# Allegro board 8880F5-0823_RXTX.brd (continued)
## Routing (per net, layer and track width the routed paths; a pad name or vN(x,y) marks a point on that pad's centre or on a via; arc(x,y) is an arc through that point) (continued)
D13113: length 833.7
  TOP w0.086: SITE1.79 263.98,249.63 264.06,249.71 269.2,249.71 270.02,250.53 275.8,250.53 v1(276.24,250.09)
  L07_SIGNAL w0.071: v2(212.03,230.74) 212.5,230.27 213.48,230.27 214.36,229.4 214.36,224.07 212.02,221.74 130.68,221.74 129.29,220.34 83.36,220.34 77.08,214.06 77.08,140.32 111.99,105.4 125.3,105.4 130.47,100.23 130.47,54.57 127.24,51.34 120.1,51.34 119.01,52.43 119.01,53.71 D131.13
  L30_SIGNAL w0.071: v2(212.03,230.74) 211.56,230.27 210.76,230.27 210.09,230.94 210.09,239.48 209.33,240.24 167.91,240.24 162.05,234.38 106.72,234.38 105.33,232.99 57.97,232.99 56.9,234.05 56.9,254.83 56,255.73 52.33,255.73 51.62,255.03 51.62,248.07 50.61,247.06 46.83,247.06 45.44,248.44 45.44,260.98 47.38,262.92 210.37,262.92 220.57,252.72 223.91,252.72 225.87,250.76 236.92,250.76 242.41,245.28 259.62,245.28 264.91,250.56 275.77,250.56 v1(276.24,250.09)
D13115: length 833.7
  TOP w0.086: SITE1.80 263.98,250.03 264.06,249.95 269.1,249.95 269.92,250.77 275.78,250.77 v1(276.24,251.23)
  L07_SIGNAL w0.071: v2(212.03,229.6) 212.5,230.07 213.4,230.07 214.16,229.31 214.16,224.16 211.94,221.94 130.6,221.94 129.21,220.54 83.28,220.54 76.88,214.14 76.88,140.24 111.91,105.2 125.21,105.2 130.27,100.15 130.27,54.65 127.16,51.54 120.19,51.54 119.21,52.51 119.21,53.31 120.24,54.34 120.38,54.34 D131.15
  L30_SIGNAL w0.071: v1(276.24,251.23) 275.77,250.76 264.83,250.76 259.54,245.47 242.49,245.47 237,250.96 225.95,250.96 223.99,252.92 220.66,252.92 210.45,263.12 47.3,263.12 45.24,261.06 45.24,248.36 46.74,246.86 50.69,246.86 51.82,247.99 51.82,254.95 52.41,255.54 55.91,255.54 56.7,254.75 56.7,233.97 57.89,232.79 105.41,232.79 106.8,234.18 162.14,234.18 168,240.04 209.25,240.04 209.89,239.39 209.89,230.86 210.67,230.07 211.55,230.07 v2(212.03,229.6)
D13201: length 833.7
  TOP w0.086: v1(227.6,257.38) 228.04,256.95 231.86,256.95 236.46,252.35 237.6,252.35 237.68,252.43 SITE1.135
  L07_SIGNAL w0.071: v2(178.5,258.17) 178.97,257.7 179.25,257.7 179.97,258.42 179.97,260.04 179.16,260.84 175,260.84 168.26,254.1 140.98,254.1 135.02,248.14 84.83,248.14 55.75,219.05 55.75,135.85 78.94,112.65 78.94,34.36 82.81,30.5 87.69,30.5 89.74,32.54 89.74,33.66 89.07,34.33 87.59,34.33 D132.01
  L32_SIGNAL w0.071: v2(178.5,258.17) 178.97,257.7 179.32,257.7 179.59,257.97 179.59,265.41 176.16,268.84 176.16,274.85 170.37,280.64 160.39,280.64 157.09,283.94 67.9,283.94 60.74,291.11 60.74,351.38 69.22,359.86 195.72,359.86 209.48,346.1 209.48,284.58 214.25,279.81 214.25,262.45 219.79,256.91 227.13,256.91 v1(227.6,257.38)
D13202: length 833.7
  TOP w0.086: SITE1.142 237.68,249.63 237.6,249.55 233.04,249.55 231.83,250.76 224.76,250.76 v1(224.31,251.21)
  L07_SIGNAL w0.071: D132.02 91.03,40.23 91.03,41.96 90.59,42.4 85.33,42.4 80.26,47.47 80.26,115.46 57.53,138.19 57.53,216.29 78.63,237.39 128.78,237.39 130.48,235.7 172.01,235.7 180.46,244.15 180.46,257.32 180.84,257.7 181.2,257.7 v2(181.67,258.17)
  L32_SIGNAL w0.071: v1(224.31,251.21) 223.83,250.74 223.37,250.74 222.19,251.92 210.89,251.92 207.99,254.83 207.99,268.92 205.43,271.49 205.43,342.84 193.77,354.5 107.12,354.5 83.02,330.39 83.02,298.44 85.84,295.61 150.29,295.61 156.76,302.07 199.53,302.07 201.7,299.9 201.7,254 197.16,249.47 191.59,249.47 183.36,257.7 182.15,257.7 v2(181.67,258.17)
D13203: length 833.7
  TOP w0.086: v1(227.6,256.24) 228.07,256.71 231.76,256.71 236.36,252.11 237.6,252.11 237.68,252.03 SITE1.136
  L07_SIGNAL w0.071: D132.03 89.94,34.06 89.94,32.46 87.78,30.3 82.72,30.3 78.74,34.28 78.74,112.57 55.55,135.77 55.55,219.14 84.75,248.34 134.94,248.34 140.9,254.3 168.18,254.3 174.92,261.04 179.25,261.04 180.16,260.12 180.16,258.34 179.33,257.5 178.97,257.5 v2(178.5,257.03)
  L32_SIGNAL w0.071: v1(227.6,256.24) 227.13,256.71 219.71,256.71 214.05,262.37 214.05,279.73 209.29,284.49 209.29,346.02 195.64,359.66 69.3,359.66 60.94,351.3 60.94,291.19 67.99,284.14 157.18,284.14 160.48,280.84 170.45,280.84 176.36,274.93 176.36,268.93 179.79,265.49 179.79,257.89 179.4,257.5 178.97,257.5 v2(178.5,257.03)
D13204: length 833.7
  TOP w0.086: v1(224.31,250.07) 224.76,250.52 231.73,250.52 232.94,249.31 237.6,249.31 237.68,249.23 SITE1.143
  L07_SIGNAL w0.071: D132.04 92.47,39.61 92.36,39.61 91.23,40.74 91.23,42.04 90.67,42.6 85.42,42.6 80.46,47.55 80.46,115.54 57.73,138.27 57.73,216.21 78.72,237.2 128.7,237.2 130.4,235.5 172.1,235.5 180.66,244.06 180.66,257.24 180.93,257.5 181.2,257.5 v2(181.67,257.03)
  L32_SIGNAL w0.071: v2(181.67,257.03) 182.15,257.5 183.28,257.5 191.51,249.27 197.25,249.27 201.9,253.92 201.9,299.98 199.61,302.27 156.67,302.27 150.21,295.81 85.92,295.81 83.22,298.52 83.22,330.31 107.21,354.3 193.69,354.3 205.23,342.76 205.23,271.41 207.79,268.84 207.79,254.75 210.81,251.72 222.11,251.72 223.29,250.54 223.83,250.54 v1(224.31,250.07)
D13205: length 833.7
  TOP w0.086: v1(224.31,255.45) 224.75,255.01 232.43,255.01 235.88,251.55 237.6,251.55 237.68,251.63 SITE1.137
  L07_SIGNAL w0.071: D132.05 97.73,34.35 99.13,34.35 99.95,33.53 99.95,31.12 97.59,28.76 81.87,28.76 77.42,33.22 77.42,109.8 52.78,134.44 52.78,220.86 82.26,250.34 131.93,250.34 142.38,260.79 166.05,260.79 166.93,259.9 166.93,258.36 166.27,257.7 165.38,257.7 v2(164.91,258.17)
  L32_SIGNAL w0.071: v2(164.91,258.17) 165.38,257.7 166.4,257.7 168.1,256 178.81,256 180.68,257.87 180.68,282.95 178.65,284.98 79.91,284.98 75.84,289.05 75.84,350.19 84.23,358.57 194.95,358.57 208.36,345.16 208.36,283.57 213,278.93 213,262.04 220.06,254.98 223.83,254.98 v1(224.31,255.45)
D13206: length 833.7
  TOP w0.086: SITE1.140 237.68,250.43 237.6,250.35 233.88,250.35 231.52,252.7 228.04,252.7 v1(227.6,253.14)
  L07_SIGNAL w0.071: v2(195.26,258.17) 194.79,257.7 193.75,257.7 192.26,256.21 190.98,256.21 188.73,253.97 188.73,243.61 178.77,233.64 80.55,233.64 60.86,213.94 60.86,139.49 81.59,118.76 81.59,48.31 86.59,43.31 101,43.31 101.21,43.1 101.21,40.25 D132.06
  L32_SIGNAL w0.071: v2(195.26,258.17) 195.73,257.7 196.49,257.7 196.9,258.11 196.9,277.06 189.97,283.99 189.97,289.22 188.38,290.81 171.26,290.81 170.14,289.69 170.14,287.36 169.43,286.65 159.36,286.65 157.75,288.26 154.24,288.26 152.41,286.44 81.64,286.44 77.9,290.18 77.9,349.68 84.92,356.7 193.71,356.7 207.33,343.08 207.33,273.94 210.6,270.67 210.6,254.63 212.55,252.67 227.13,252.67 v1(227.6,253.14)
D13207: length 833.7
  TOP w0.086: v1(224.31,254.31) 224.76,254.77 232.33,254.77 235.78,251.31 237.6,251.31 237.68,251.23 SITE1.138
  L07_SIGNAL w0.071: v2(164.91,257.03) 165.38,257.5 166.35,257.5 167.13,258.28 167.13,259.99 166.13,260.99 142.29,260.99 131.85,250.54 82.18,250.54 52.59,220.94 52.59,134.36 77.22,109.72 77.22,33.13 81.79,28.56 97.67,28.56 100.15,31.04 100.15,34.11 D132.07
  L32_SIGNAL w0.071: v1(224.31,254.31) 223.83,254.78 219.98,254.78 212.8,261.96 212.8,278.85 208.16,283.49 208.16,345.08 194.86,358.38 84.31,358.38 76.04,350.1 76.04,289.13 80,285.17 178.74,285.17 180.88,283.03 180.88,257.78 178.9,255.8 168.02,255.8 166.32,257.5 165.38,257.5 v2(164.91,257.03)
D13208: length 833.7
  TOP w0.086: SITE1.141 237.68,250.03 237.6,250.11 233.78,250.11 231.43,252.46 228.06,252.46 v1(227.6,252)
  L07_SIGNAL w0.071: D132.08 102.35,39.89 102.22,39.89 101.41,40.7 101.41,43.18 101.08,43.51 86.67,43.51 81.79,48.4 81.79,118.84 61.05,139.57 61.05,213.86 80.64,233.44 178.85,233.44 188.93,243.52 188.93,253.89 191.06,256.02 192.35,256.02 193.83,257.5 194.79,257.5 v1(195.26,257.03)
  L32_SIGNAL w0.071: v1(195.26,257.03) 195.73,257.5 196.58,257.5 197.1,258.02 197.1,277.14 190.17,284.07 190.17,289.3 188.46,291.01 171.18,291.01 169.94,289.77 169.94,287.44 169.35,286.85 159.45,286.85 157.83,288.46 154.16,288.46 152.33,286.64 81.72,286.64 78.1,290.26 78.1,349.6 85,356.5 193.62,356.5 207.13,343 207.13,273.86 210.4,270.59 210.4,254.54 212.47,252.47 227.13,252.47 v1(227.6,252)
D13209: length 833.7
  TOP w0.086: SITE1.114 249.43,257.78 249.35,257.86 249.35,267.06 250.46,268.18 250.46,270.4 v1(250.93,270.87)
  L07_SIGNAL w0.071: v2(269.64,286.07) 270.11,286.54 270.11,287.12 269.61,287.62 265.55,287.62 251.47,273.53 232.47,273.53 222.21,263.28 140.9,263.28 131.34,253.72 79.91,253.72 50.03,223.84 50.03,133.46 75.85,107.65 75.85,32.3 80.99,27.16 106.53,27.16 110.1,30.73 110.1,34.06 109.75,34.41 107.83,34.41 D132.09
  L30_SIGNAL w0.071: v1(250.93,270.87) 250.46,271.34 250.46,276.34 261.29,287.17 261.29,309.43 247.92,322.8 212.18,322.8 209.07,325.91 209.07,348.1 210.22,349.26 272.45,349.26 273.08,348.63 273.08,347.75 272.46,347.12 238.28,347.12 237.51,346.35 237.51,344.57 238.19,343.89 272.37,343.89 273.2,343.05 273.2,292.36 271.35,290.5 271.35,288.8 270.13,287.58 270.13,286.55 v2(269.64,286.07)
D13210: length 833.7
  TOP w0.086: v1(248.93,269.15) 248.55,268.77 248.55,257.86 248.63,257.78 SITE1.116
  L07_SIGNAL w0.071: D132.10 111.16,40.04 111.16,44.19 110.45,44.9 87.41,44.9 82.88,49.44 82.88,123.87 66.74,140.01 66.74,214.95 81.82,230.03 129.12,230.03 130.74,231.65 193.37,231.65 210.52,248.8 227.84,248.8 235,255.96 270.62,255.96 280.57,265.91 280.57,268.75 283.02,271.2 286.45,271.2 286.91,270.74 286.91,269.78 v2(287.38,269.3)
  L30_SIGNAL w0.071: v1(248.93,269.15) 248.46,269.62 248.46,275.58 255.67,282.79 255.67,289.18 260.19,293.7 260.19,305.4 244.61,320.97 201.65,320.97 199.69,322.94 199.69,349.49 201.02,350.83 201.93,350.83 202.72,350.04 202.72,322.86 203.88,321.7 206.34,321.7 207.39,322.75 207.39,349.8 208.1,350.52 274.52,350.52 276.38,348.66 276.38,282.72 281.66,277.43 281.66,266.06 282.77,264.94 286.04,264.94 286.91,265.82 286.91,268.83 v2(287.38,269.3)
D13211: length 833.7
  TOP w0.086: SITE1.115 249.03,257.78 249.11,257.86 249.11,267.16 250.22,268.28 250.22,270.43 v1(249.79,270.87)
  L07_SIGNAL w0.071: D132.11 110.3,34.1 110.3,30.64 106.61,26.96 80.91,26.96 75.65,32.22 75.65,107.56 49.84,133.38 49.84,223.93 79.82,253.91 131.26,253.91 140.82,263.48 222.13,263.48 232.38,273.73 251.38,273.73 265.47,287.82 269.7,287.82 270.31,287.2 270.31,286.54 v2(270.78,286.07)
  L30_SIGNAL w0.071: v2(270.78,286.07) 270.32,286.53 270.32,287.49 271.55,288.72 271.55,290.42 273.4,292.27 273.4,343.14 272.45,344.08 238.27,344.08 237.7,344.65 237.7,346.27 238.36,346.93 272.54,346.93 273.28,347.67 273.28,348.71 272.54,349.45 210.14,349.45 208.87,348.19 208.87,325.83 212.1,322.6 247.84,322.6 261.09,309.35 261.09,287.25 250.26,276.43 250.26,271.34 v1(249.79,270.87)
D13212: length 833.7
  TOP w0.086: v1(247.79,269.15) 248.31,268.63 248.31,257.86 248.23,257.78 SITE1.117
  L07_SIGNAL w0.071: D132.12 112.36,40.04 112.03,40.04 111.35,40.72 111.35,44.27 110.53,45.1 87.5,45.1 83.07,49.52 83.07,123.95 66.93,140.09 66.93,214.87 81.9,229.83 129.2,229.83 130.82,231.45 193.46,231.45 210.6,248.6 227.92,248.6 235.08,255.76 270.7,255.76 280.77,265.82 280.77,268.66 283.11,271 286.37,271 286.71,270.66 286.71,269.78 v2(286.24,269.3)
  L30_SIGNAL w0.071: v1(247.79,269.15) 248.26,269.62 248.26,275.66 255.47,282.87 255.47,289.26 259.99,293.78 259.99,305.31 244.53,320.78 201.57,320.78 199.49,322.86 199.49,349.58 200.94,351.03 202.01,351.03 202.92,350.12 202.92,322.94 203.96,321.9 206.26,321.9 207.19,322.83 207.19,349.89 208.02,350.72 274.6,350.72 276.58,348.74 276.58,282.8 281.86,277.52 281.86,266.14 282.85,265.14 285.95,265.14 286.71,265.9 286.71,268.83 v2(286.24,269.3)
D13213: length 833.7
  TOP w0.086: SITE1.129 243.43,257.78 243.35,257.86 243.35,259.29 238.85,263.79 238.85,270.43 v1(239.3,270.88)
  L07_SIGNAL w0.071: D132.13 118.13,34.27 119.82,34.27 120.47,33.62 120.47,30.71 115.07,25.31 79.76,25.31 73.99,31.07 73.99,106.09 48.05,132.04 48.05,226.78 85.94,264.67 221.19,264.67 244.35,287.83 256.11,287.83 256.9,287.04 256.9,286.54 v2(256.43,286.07)
  L32_SIGNAL w0.071: v2(256.43,286.07) 256.9,286.54 256.9,287.86 253.94,290.83 244.07,290.83 241.43,293.46 241.43,307.55 220.86,328.12 220.86,365.23 224.13,368.51 235.53,368.51 236.49,369.47 236.49,372.69 235.35,373.83 225.36,373.83 224.37,374.82 224.37,377.31 225.5,378.44 249.55,378.44 250.53,379.41 250.53,381 249.41,382.12 224.65,382.12 221.29,378.76 221.29,369.42 216.23,364.36 216.23,323.65 239.9,299.98 239.9,284.64 238.83,283.57 238.83,271.35 v1(239.3,270.88)
D13214: length 833.7
  TOP w0.086: SITE1.81 263.98,250.43 264.06,250.51 267.46,250.51 269.46,252.51 278.8,252.51 v1(279.29,252.02)
  L07_SIGNAL w0.071: v2(198.44,230.74) 197.97,230.27 197.09,230.27 193.22,226.39 106.2,226.39 104.99,225.18 81.1,225.18 73.01,217.1 73.01,138.99 84.16,127.84 84.16,49.97 87.95,46.18 119.58,46.18 122.02,43.75 122.02,40.49 121.47,39.94 121.22,39.94 D132.14
  L30_SIGNAL w0.071: v1(279.29,252.02) 278.82,252.49 256.91,252.49 255.02,250.6 239.76,250.6 233.86,256.5 229.62,256.5 219.73,266.39 164.61,266.39 162.86,264.65 43.39,264.65 42.27,263.53 42.27,230.84 43.71,229.4 45.54,229.4 46.39,230.24 46.39,243.43 47.65,244.7 50.2,244.7 51.57,243.33 51.57,231.5 52.56,230.5 91.1,230.5 92.13,229.47 159.25,229.47 163.11,233.32 194.07,233.32 197.12,230.28 197.98,230.28 v2(198.44,230.74)
D13215: length 833.7
  TOP w0.086: SITE1.130 243.03,257.78 243.11,257.86 243.11,259.19 238.61,263.69 238.61,270.43 v1(238.16,270.88)
  L07_SIGNAL w0.071: D132.15 120.67,34.31 120.67,30.63 115.15,25.11 79.68,25.11 73.79,30.99 73.79,106.01 47.85,131.95 47.85,226.86 85.86,264.87 221.11,264.87 244.27,288.03 256.19,288.03 257.1,287.12 257.1,286.54 v2(257.58,286.07)
  L32_SIGNAL w0.071: v1(238.16,270.88) 238.63,271.35 238.63,283.65 239.7,284.72 239.7,299.9 216.03,323.57 216.03,364.44 221.09,369.5 221.09,378.84 224.56,382.32 249.5,382.32 250.72,381.09 250.72,379.33 249.64,378.24 225.58,378.24 224.56,377.22 224.56,374.91 225.44,374.03 235.43,374.03 236.69,372.77 236.69,369.39 235.61,368.31 224.22,368.31 221.05,365.15 221.05,328.21 241.63,307.63 241.63,293.55 244.15,291.03 254.02,291.03 257.1,287.94 257.1,286.54 v2(257.58,286.07)
D13216: length 833.7
  TOP w0.086: v1(279.29,253.16) 278.88,252.75 269.36,252.75 267.37,250.75 264.06,250.75 263.98,250.83 SITE1.82
  L07_SIGNAL w0.071: v1(198.44,229.6) 197.97,230.07 197.17,230.07 193.3,226.19 106.28,226.19 105.07,224.98 81.18,224.98 73.21,217.01 73.21,139.07 84.36,127.92 84.36,50.05 88.03,46.38 119.67,46.38 122.22,43.83 122.22,40.34 D132.16
  L30_SIGNAL w0.071: v1(198.44,229.6) 197.95,230.08 197.04,230.08 193.99,233.13 163.19,233.13 159.34,229.27 92.05,229.27 91.02,230.3 52.48,230.3 51.37,231.41 51.37,243.25 50.11,244.5 47.74,244.5 46.59,243.35 46.59,230.16 45.62,229.2 43.63,229.2 42.08,230.75 42.08,263.61 43.31,264.84 162.78,264.84 164.53,266.59 219.81,266.59 229.71,256.69 233.95,256.69 239.84,250.8 254.94,250.8 256.83,252.69 278.82,252.69 v1(279.29,253.16)
D30102: length 192.4
  TOP w0.147: D301.02 312.01,91.03 arc(312.17,91.27) 312.23,91.55 312.23,121.52 arc(312.18,121.76) 312.04,121.97 arc(311.63,122.25) 311.14,122.34 arc(310.63,122.24) 310.2,121.95 arc(310.05,121.72) 309.99,121.45 309.99,97.48 arc(309.9,97.01) 309.63,96.61 arc(309.04,96.22) 308.34,96.08 arc(307.63,96.22) 307.03,96.62 307.03,96.62 arc(306.75,97.03) 306.66,97.52 306.66,125.17 arc(306.74,125.57) 306.96,125.91 307.69,126.63 arc(308.03,126.86) 308.43,126.94 328.08,126.94 arc(328.21,126.97) 328.32,127.04 333.1,131.82 arc(333.18,131.93) 333.2,132.06 333.2,142.3 arc(333.18,142.43) 333.1,142.54 331.36,144.29 arc(331.25,144.36) 331.11,144.39 317.99,144.39 arc(317.71,144.44) 317.47,144.6 316.41,145.66 arc(316.25,145.9) 316.2,146.19 316.2,150.19 arc(316.25,150.47) 316.41,150.71 317.76,152.05 arc(317.99,152.21) 318.28,152.27 329.95,152.27 arc(330.08,152.3) 330.19,152.37 332.13,154.31 arc(332.21,154.42) 332.23,154.55 332.23,171.32 332.23,171.33 SITE4.26
D30104: length 192.4
  TOP w0.147: D301.04 312.84,91.02 arc(312.68,91.26) 312.62,91.54 312.62,121.52 arc(312.55,121.92) 312.32,122.25 arc(311.78,122.61) 311.14,122.74 arc(310.48,122.61) 309.92,122.23 arc(309.68,121.88) 309.6,121.45 309.6,97.48 arc(309.53,97.16) 309.35,96.89 arc(308.89,96.58) 308.34,96.47 arc(307.78,96.59) 307.31,96.9 307.31,96.9 arc(307.12,97.18) 307.05,97.52 307.05,125.17 arc(307.1,125.42) 307.24,125.63 307.97,126.35 arc(308.18,126.49) 308.43,126.54 328.08,126.54 arc(328.36,126.6) 328.6,126.76 333.38,131.54 arc(333.54,131.78) 333.6,132.06 333.6,142.3 arc(333.54,142.58) 333.38,142.82 331.64,144.57 arc(331.4,144.73) 331.11,144.79 317.99,144.79 arc(317.86,144.81) 317.75,144.88 316.69,145.94 arc(316.62,146.06) 316.59,146.19 316.59,150.19 arc(316.62,150.32) 316.69,150.43 318.04,151.77 arc(318.15,151.85) 318.28,151.87 329.95,151.87 arc(330.23,151.93) 330.47,152.09 332.41,154.03 arc(332.57,154.27) 332.63,154.55 332.63,171.32 332.63,171.33 SITE4.27
D30106: length 192.4
  TOP w0.147: SITE4.29 333.43,171.33 333.43,171.32 333.43,167.53 arc(333.49,167.25) 333.65,167.01 334.49,166.17 arc(334.56,166.06) 334.59,165.93 334.59,153.75 arc(334.56,153.62) 334.49,153.51 330.97,149.99 arc(330.86,149.91) 330.73,149.89 319.51,149.89 arc(319.23,149.83) 318.99,149.67 318.65,149.33 arc(318.49,149.09) 318.43,148.81 318.43,147.63 arc(318.49,147.35) 318.65,147.11 319.13,146.62 arc(319.37,146.46) 319.65,146.41 334.45,146.41 arc(334.58,146.38) 334.69,146.31 335.73,145.27 arc(335.8,145.16) 335.83,145.03 335.83,130.74 arc(335.8,130.61) 335.73,130.5 328.83,123.6 arc(328.67,123.36) 328.61,123.08 328.61,95.93 arc(328.56,95.65) 328.4,95.41 arc(327.96,95.12) 327.43,95.01 327.21,95.01 arc(326.69,95.11) 326.26,95.41 arc(326.1,95.64) 326.05,95.92 326.05,122.75 arc(325.99,123.04) 325.83,123.28 325.16,123.95 arc(324.92,124.11) 324.64,124.16 323.67,124.16 arc(323.39,124.11) 323.15,123.95 322.62,123.41 arc(322.46,123.17) 322.4,122.89 322.4,101.37 arc(322.37,101.24) 322.3,101.13 321.51,100.34 arc(321.4,100.27) 321.27,100.24 316.62,100.24 arc(316.14,100.15) 315.74,99.88 arc(315.23,99.12) 315.05,98.22 arc(315.24,97.31) 315.75,96.53 315.76,96.53 arc(316.17,96.25) 316.66,96.15 321.32,96.15 arc(321.73,96.07) 322.08,95.84 arc(322.32,95.49) 322.4,95.07 322.4,91.57 arc(322.34,91.28) 322.18,91.04 D301.06
D30108: length 192.4
  TOP w0.147: SITE4.30 333.83,171.33 333.83,171.32 333.83,167.53 arc(333.85,167.4) 333.93,167.29 334.77,166.45 arc(334.93,166.21) 334.99,165.93 334.99,153.75 arc(334.93,153.47) 334.77,153.23 331.25,149.7 arc(331.01,149.55) 330.73,149.49 319.51,149.49 arc(319.38,149.46) 319.27,149.39 318.93,149.05 arc(318.85,148.94) 318.83,148.81 318.83,147.63 arc(318.85,147.5) 318.93,147.39 319.41,146.9 arc(319.52,146.83) 319.65,146.8 334.45,146.8 arc(334.73,146.75) 334.97,146.59 336.01,145.55 arc(336.17,145.31) 336.22,145.03 336.22,130.74 arc(336.17,130.46) 336.01,130.22 329.11,123.32 arc(329.04,123.21) 329.01,123.08 329.01,95.93 arc(328.92,95.5) 328.68,95.13 arc(328.11,94.75) 327.44,94.61 327.21,94.61 arc(326.54,94.75) 325.98,95.13 arc(325.73,95.49) 325.65,95.92 325.65,122.75 arc(325.62,122.88) 325.55,123 324.88,123.67 arc(324.77,123.74) 324.64,123.77 323.67,123.77 arc(323.54,123.74) 323.43,123.67 322.9,123.13 arc(322.82,123.02) 322.8,122.89 322.8,101.37 arc(322.74,101.09) 322.58,100.85 321.79,100.06 arc(321.55,99.9) 321.27,99.85 316.62,99.85 arc(316.3,99.78) 316.02,99.6 arc(315.6,98.97) 315.45,98.22 arc(315.6,97.46) 316.03,96.81 316.04,96.81 arc(316.32,96.62) 316.66,96.55 321.32,96.55 arc(321.88,96.44) 322.36,96.12 arc(322.68,95.64) 322.8,95.07 322.8,91.53 arc(322.85,91.25) 323.01,91.01 D301.08
D30110: length 192.4
  TOP w0.147: SITE4.32 334.63,171.33 334.63,171.32 334.63,169.65 arc(334.69,169.37) 334.85,169.13 338.31,165.66 arc(338.39,165.55) 338.41,165.42 338.41,161.32 arc(338.45,161.12) 338.57,160.94 343.71,155.8 arc(343.95,155.64) 344.23,155.58 352.97,155.58 arc(353.1,155.56) 353.21,155.48 353.54,155.16 arc(353.61,155.04) 353.64,154.91 353.64,154.22 arc(353.62,154.12) 353.56,154.03 353.28,153.75 arc(353.17,153.68) 353.04,153.65 339.37,153.65 arc(339.09,153.6) 338.85,153.44 338.47,153.06 arc(338.31,152.81) 338.25,152.52 338.25,151.88 arc(338.31,151.59) 338.47,151.34 338.84,150.97 arc(339.08,150.81) 339.36,150.76 346.77,150.76 arc(347.04,150.7) 347.27,150.55 347.27,150.55 arc(347.52,150.17) 347.61,149.73 arc(347.52,149.29) 347.28,148.92 347.23,148.87 arc(347,148.72) 346.73,148.67 340.97,148.67 arc(340.69,148.61) 340.45,148.45 338.39,146.4 arc(338.23,146.16) 338.18,145.87 338.18,95.57 arc(338.12,95.28) 337.95,95.03 arc(337.43,94.68) 336.81,94.56 arc(336.26,94.67) 335.8,94.98 arc(335.67,95.17) 335.62,95.4 335.62,123.36 arc(335.54,123.76) 335.32,124.1 335.31,124.1 arc(334.75,124.48) 334.09,124.61 arc(333.41,124.48) 332.84,124.09 arc(332.6,123.73) 332.52,123.31 332.52,91.52 arc(332.46,91.24) 332.3,91 D301.10
D30112: length 192.4
  TOP w0.147: D301.12 333.13,91.05 arc(332.97,91.29) 332.91,91.57 332.91,123.31 arc(332.97,123.58) 333.12,123.81 arc(333.57,124.11) 334.09,124.21 arc(334.6,124.11) 335.03,123.82 arc(335.18,123.61) 335.23,123.36 335.23,95.4 arc(335.3,95.02) 335.52,94.7 arc(336.11,94.3) 336.81,94.16 arc(337.58,94.31) 338.23,94.75 arc(338.49,95.13) 338.57,95.57 338.57,145.87 arc(338.6,146) 338.67,146.11 340.73,148.17 arc(340.84,148.24) 340.97,148.27 346.73,148.27 arc(347.15,148.35) 347.51,148.59 347.56,148.64 arc(347.89,149.14) 348.01,149.73 arc(347.89,150.33) 347.55,150.83 arc(347.2,151.07) 346.77,151.15 339.36,151.15 arc(339.23,151.18) 339.12,151.25 338.76,151.62 arc(338.67,151.74) 338.65,151.88 338.65,152.52 arc(338.67,152.66) 338.76,152.78 339.13,153.16 arc(339.24,153.23) 339.37,153.26 353.04,153.26 arc(353.32,153.31) 353.56,153.47 353.7,153.61 353.84,153.75 arc(353.99,153.97) 354.04,154.22 354.04,154.91 arc(353.98,155.2) 353.82,155.44 353.49,155.76 arc(353.25,155.92) 352.97,155.98 344.23,155.98 arc(344.1,156) 343.99,156.08 338.85,161.22 arc(338.82,161.27) 338.81,161.32 338.81,165.42 arc(338.75,165.71) 338.59,165.94 335.13,169.41 arc(335.05,169.52) 335.03,169.65 335.03,171.32 335.03,171.33 SITE4.33
D30114: length 192.4
  TOP w0.147: D301.14 342.47,91.01 arc(342.63,91.25) 342.69,91.53 342.69,123.33 arc(342.77,123.77) 343.03,124.15 arc(343.62,124.54) 344.32,124.68 344.49,124.68 arc(345.18,124.55) 345.77,124.15 345.77,124.15 arc(346.02,123.79) 346.1,123.35 346.1,94.29 arc(346.13,94.16) 346.2,94.05 346.55,93.71 arc(346.99,93.41) 347.5,93.31 arc(348.02,93.41) 348.46,93.71 348.75,93.99 348.75,94 arc(348.83,94.11) 348.85,94.24 348.85,126.09 arc(348.79,126.41) 348.61,126.68 348.61,126.68 arc(348.34,126.86) 348.02,126.92 342.13,126.92 arc(341.62,127.02) 341.19,127.31 341.19,127.31 arc(340.91,127.74) 340.81,128.25 340.81,141.92 arc(340.86,142.2) 341.02,142.44 341.88,143.3 arc(342.12,143.46) 342.4,143.52 348.48,143.52 arc(348.61,143.55) 348.72,143.62 357.43,152.33 arc(357.67,152.49) 357.95,152.54 360.91,152.54 arc(361.04,152.57) 361.15,152.64 361.66,153.15 arc(361.73,153.27) 361.76,153.4 361.76,156.72 arc(361.73,156.85) 361.66,156.96 360.89,157.73 arc(360.78,157.8) 360.65,157.83 346.49,157.83 arc(346.21,157.89) 345.97,158.05 341.02,162.99 arc(340.86,163.23) 340.81,163.51 340.81,165.84 arc(340.78,165.97) 340.71,166.08 335.83,170.95 335.83,171.32 335.83,171.33 SITE4.35
D30116: length 192.4
  TOP w0.147: SITE4.36 336.23,171.33 336.23,171.32 336.23,171.12 340.99,166.36 arc(341.15,166.12) 341.2,165.84 341.2,163.51 arc(341.23,163.38) 341.3,163.27 346.25,158.33 arc(346.36,158.25) 346.49,158.23 360.65,158.23 arc(360.93,158.17) 361.17,158.01 361.94,157.24 arc(362.1,157) 362.15,156.72 362.15,153.4 arc(362.1,153.11) 361.94,152.87 361.43,152.36 arc(361.19,152.2) 360.91,152.15 357.95,152.15 arc(357.82,152.12) 357.71,152.05 349.01,143.34 arc(348.77,143.18) 348.48,143.12 342.4,143.12 arc(342.27,143.1) 342.16,143.02 341.3,142.16 arc(341.23,142.05) 341.2,141.92 341.2,128.25 arc(341.27,127.89) 341.47,127.59 341.47,127.59 arc(341.77,127.39) 342.13,127.32 348.02,127.32 arc(348.49,127.23) 348.89,126.96 arc(349.15,126.56) 349.25,126.09 349.25,94.24 arc(349.19,93.95) 349.03,93.71 348.74,93.43 arc(348.17,93.05) 347.5,92.91 arc(346.83,93.05) 346.27,93.43 345.92,93.77 arc(345.76,94.01) 345.71,94.29 345.71,123.35 arc(345.65,123.63) 345.49,123.87 345.49,123.87 arc(345.03,124.18) 344.49,124.29 344.32,124.29 arc(343.77,124.18) 343.31,123.87 343.31,123.87 arc(343.14,123.62) 343.08,123.33 343.08,91.56 arc(343.14,91.28) 343.3,91.04 D301.16
D30502: length 192.4
  TOP w0.147: D305.02 385.64,91 arc(385.8,91.24) 385.85,91.52 385.85,93.61 arc(385.91,93.89) 386.07,94.13 387.38,95.44 arc(387.62,95.6) 387.9,95.66 394.19,95.66 arc(394.41,95.7) 394.59,95.82 395.29,96.52 arc(395.79,97.27) 395.96,98.15 395.96,98.15 arc(395.74,99.27) 395.1,100.22 394.75,100.58 arc(394.36,100.84) 393.91,100.93 387.5,100.93 arc(387.22,100.98) 386.98,101.14 386.16,101.96 arc(386,102.2) 385.95,102.48 385.95,118.01 arc(385.92,118.14) 385.85,118.25 370.44,133.66 arc(370.28,133.9) 370.22,134.19 370.22,149.87 arc(370.2,150) 370.12,150.11 363.58,156.66 arc(363.42,156.9) 363.36,157.18 363.36,203.61 arc(363.34,203.74) 363.26,203.86 355.51,211.61 arc(355.46,211.64) 355.4,211.66 340.76,211.66 arc(340.09,211.79) 339.52,212.17 332.45,219.24 arc(332.29,219.48) 332.23,219.76 332.23,231.32 332.23,231.33 SITE2.26
D30504: length 192.4
  TOP w0.147: SITE2.27 332.63,231.33 332.63,231.32 332.63,219.76 arc(332.65,219.63) 332.73,219.52 339.8,212.45 arc(340.24,212.16) 340.76,212.05 355.4,212.05 arc(355.61,212.01) 355.79,211.89 363.54,204.14 arc(363.7,203.9) 363.76,203.61 363.76,157.18 arc(363.78,157.05) 363.86,156.94 370.4,150.39 arc(370.56,150.16) 370.62,149.87 370.62,134.19 arc(370.64,134.05) 370.72,133.94 386.13,118.53 arc(386.29,118.29) 386.34,118.01 386.34,102.48 arc(386.37,102.35) 386.44,102.24 387.26,101.42 arc(387.37,101.35) 387.5,101.32 393.91,101.32 arc(394.52,101.2) 395.03,100.86 395.38,100.51 arc(396.11,99.43) 396.36,98.15 396.36,98.15 arc(396.15,97.12) 395.57,96.24 394.87,95.54 arc(394.56,95.34) 394.19,95.26 387.9,95.26 arc(387.77,95.24) 387.66,95.16 386.35,93.85 arc(386.28,93.74) 386.25,93.61 386.25,91.57 arc(386.31,91.29) 386.47,91.05 D305.04
D30506: length 192.4
  TOP w0.147: D305.06 395.8,91 arc(395.96,91.24) 396.01,91.52 396.01,93.35 arc(396.07,93.64) 396.23,93.88 397.9,95.55 arc(398.14,95.71) 398.42,95.77 403,95.77 arc(403.23,95.81) 403.43,95.95 404.01,96.52 arc(404.38,97.08) 404.51,97.73 404.51,98.2 arc(404.31,99.21) 403.74,100.07 arc(403.24,100.4) 402.65,100.52 398.73,100.52 arc(398.45,100.57) 398.21,100.73 396.16,102.78 arc(396,103.02) 395.94,103.3 395.94,110.85 arc(395.92,110.98) 395.84,111.09 373.28,133.65 arc(373.12,133.89) 373.07,134.17 373.07,150.26 arc(373.04,150.39) 372.97,150.5 365.78,157.69 arc(365.62,157.93) 365.56,158.21 365.56,204.16 arc(365.54,204.29) 365.46,204.4 356.18,213.68 arc(356.07,213.75) 355.94,213.78 341.07,213.78 arc(340.79,213.83) 340.55,213.99 333.65,220.9 arc(333.49,221.14) 333.43,221.42 333.43,231.32 333.43,231.33 SITE2.29